# KiCad board OLD_PCB.kicad_pcb (continued)
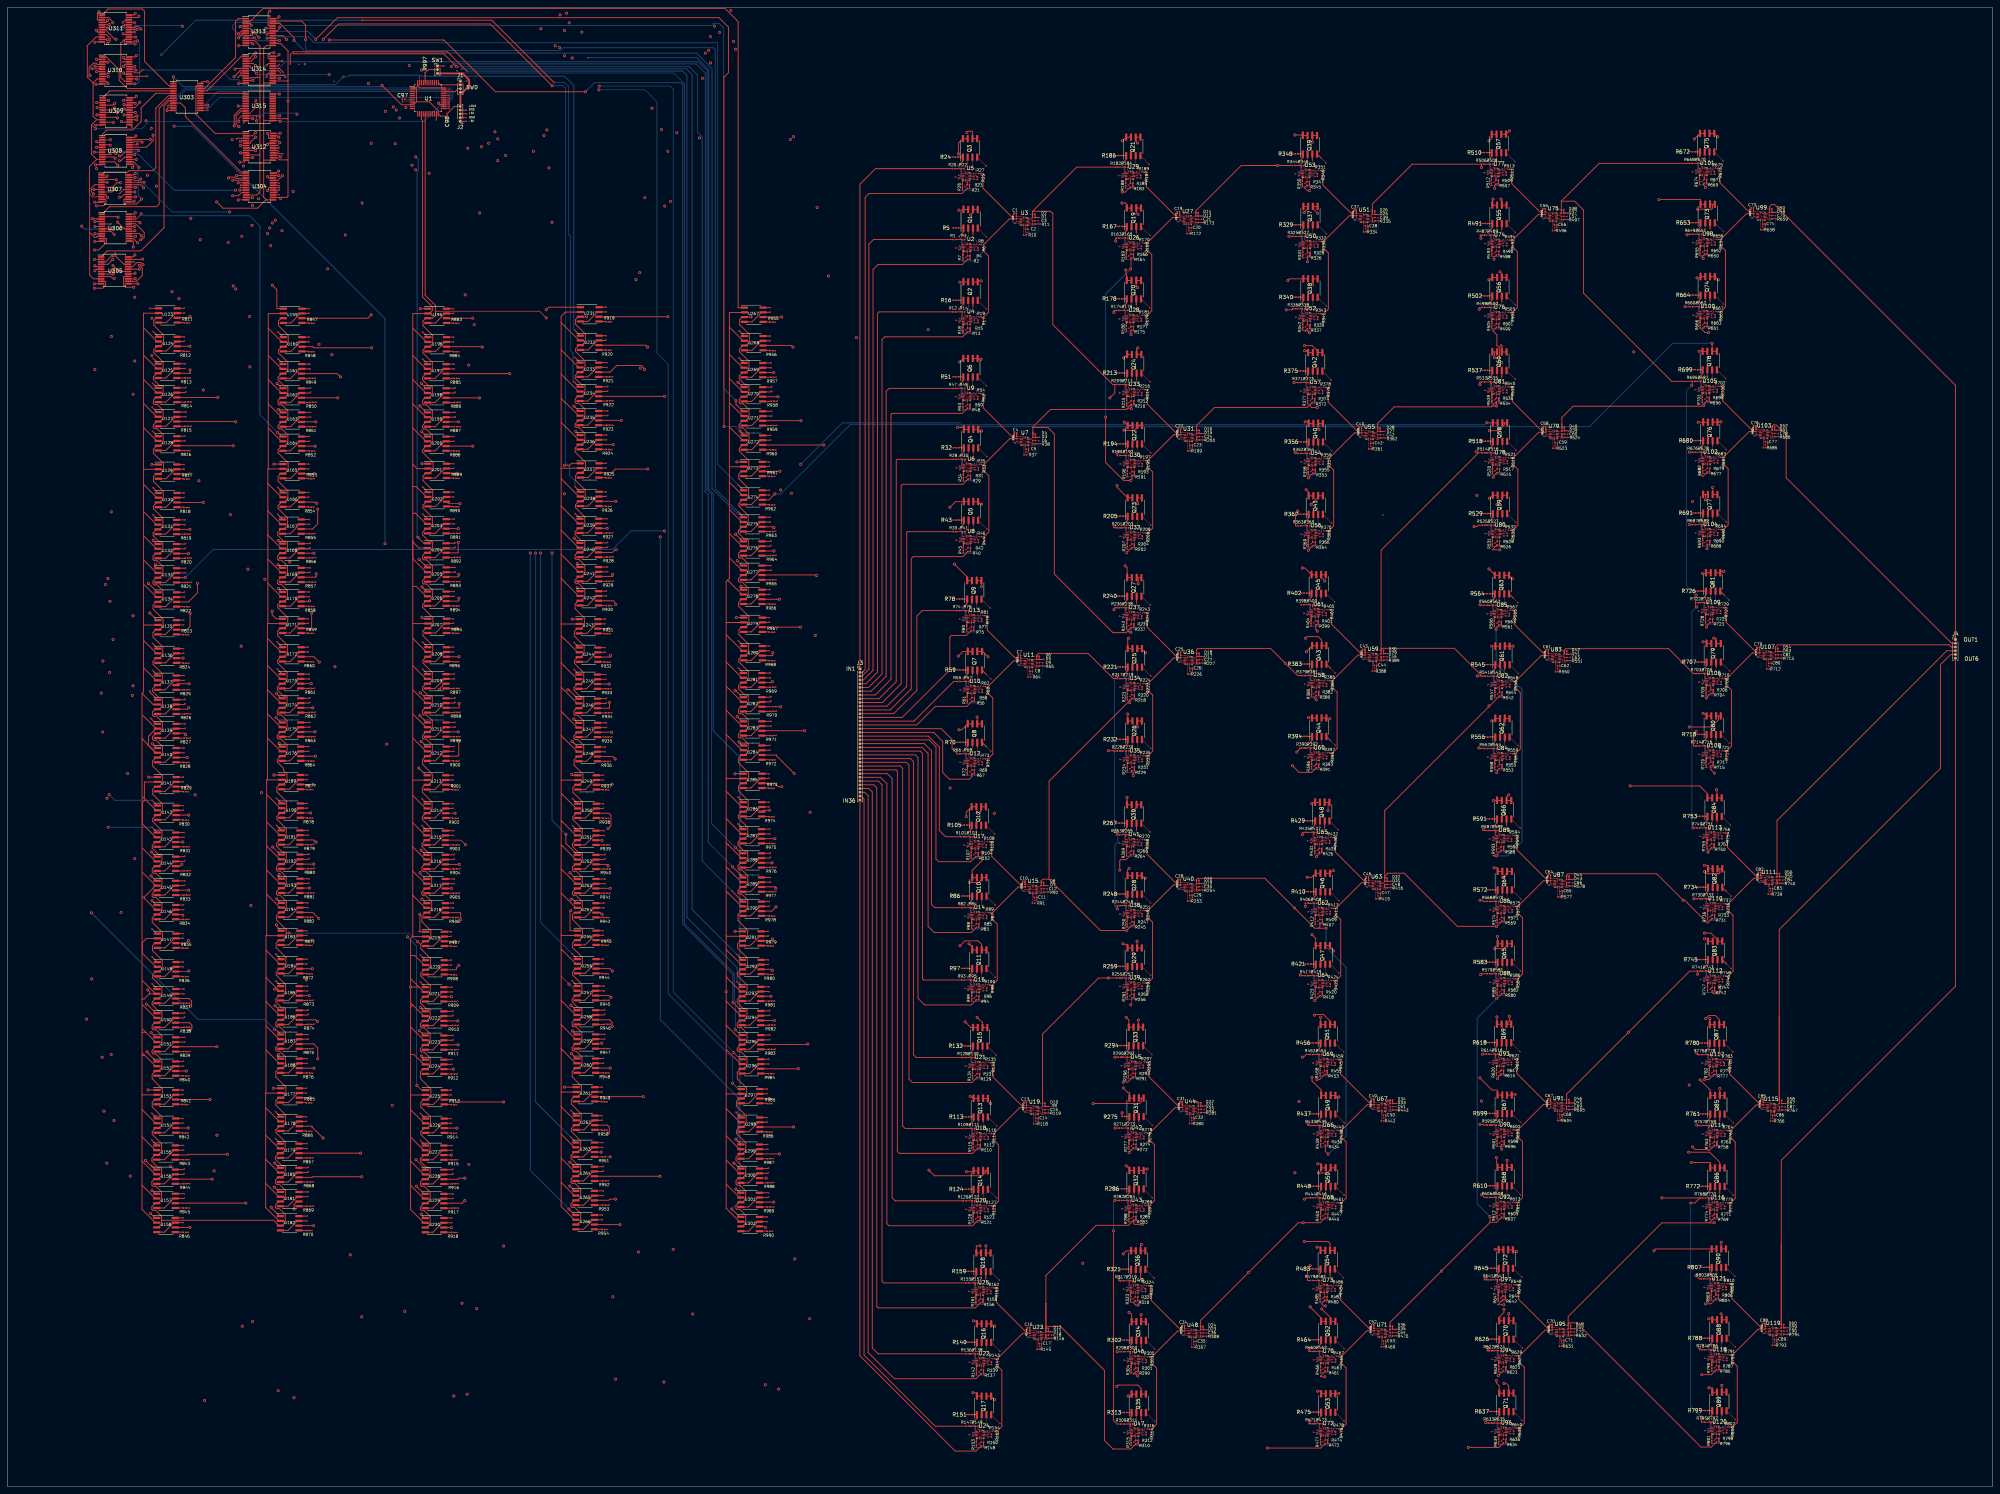
[diagram p0: board, top side]
## Nets (continued)
Net-(U112B--): R747.1 U112.5 U112.6
Net-(U112C--): R742.2 R744.1 U112.8
Net-(U112D--): R748.1 U112.12 U112.13
Net-(U113A--): R749.2 R751.1 U113.1
Net-(U113B--): R755.1 U113.5 U113.6
Net-(U113C--): R750.2 R752.1 U113.8
Net-(U113D--): R756.1 U113.12 U113.13
Net-(U114A--): R757.2 R759.1 U114.1
Net-(U114B--): R763.1 U114.5 U114.6
Net-(U114C--): R758.2 R760.1 U114.8
Net-(U114D--): R764.1 U114.12 U114.13
Net-(U115B-+): C85.2 U115.4
Net-(U115B--): R766.1 U115.5 U115.6
Net-(U115C--): C86.1 R766.2 U115.8
Net-(U115D-+): C87.2 R767.1 U115.11
Net-(U116A--): R768.2 R770.1 U116.1
Net-(U116B--): R774.1 U116.5 U116.6
Net-(U116C--): R769.2 R771.1 U116.8
Net-(U116D--): R775.1 U116.12 U116.13
Net-(U117A--): R776.2 R778.1 U117.1
Net-(U117B--): R782.1 U117.5 U117.6
Net-(U117C--): R777.2 R779.1 U117.8
Net-(U117D--): R783.1 U117.12 U117.13
Net-(U118A--): R784.2 R786.1 U118.1
Net-(U118B--): R790.1 U118.5 U118.6
Net-(U118C--): R785.2 R787.1 U118.8
Net-(U118D--): R791.1 U118.12 U118.13
Net-(U119B-+): C88.2 U119.4
Net-(U119B--): R793.1 U119.5 U119.6
Net-(U119C--): C89.1 R793.2 U119.8
Net-(U119D-+): C90.2 R794.1 U119.11
Net-(U120A--): R795.2 R797.1 U120.1
Net-(U120B--): R801.1 U120.5 U120.6
Net-(U120C--): R796.2 R798.1 U120.8
Net-(U120D--): R802.1 U120.12 U120.13
Net-(U121A--): R803.2 R805.1 U121.1
Net-(U121B--): R809.1 U121.5 U121.6
Net-(U121C--): R804.2 R806.1 U121.8
Net-(U121D--): R810.1 U121.12 U121.13
Net-(U123-PA0): R811.2 U123.5
Net-(U124-PA0): R812.2 U124.5
Net-(U125-PA0): R813.2 U125.5
Net-(U126-PA0): R814.2 U126.5
Net-(U127-PA0): R815.2 U127.5
Net-(U128-PA0): R816.2 U128.5
Net-(U129-PA0): R817.2 U129.5
Net-(U130-PA0): R818.2 U130.5
Net-(U131-PA0): R819.2 U131.5
Net-(U132-PA0): R820.2 U132.5
Net-(U133-PA0): R821.2 U133.5
Net-(U134-PA0): R822.2 U134.5
Net-(U135-PA0): R823.2 U135.5
Net-(U136-PA0): R824.2 U136.5
Net-(U137-PA0): R825.2 U137.5
Net-(U138-PA0): R826.2 U138.5
Net-(U139-PA0): R827.2 U139.5
Net-(U140-PA0): R828.2 U140.5
Net-(U141-PA0): R829.2 U141.5
Net-(U142-PA0): R830.2 U142.5
Net-(U143-PA0): R831.2 U143.5
Net-(U144-PA0): R832.2 U144.5
Net-(U145-PA0): R833.2 U145.5
Net-(U146-PA0): R834.2 U146.5
Net-(U147-PA0): R835.2 U147.5
Net-(U148-PA0): R836.2 U148.5
Net-(U149-PA0): R837.2 U149.5
Net-(U150-PA0): R838.2 U150.5
Net-(U151-PA0): R839.2 U151.5
Net-(U152-PA0): R840.2 U152.5
Net-(U153-PA0): R841.2 U153.5
Net-(U154-PA0): R842.2 U154.5
Net-(U155-PA0): R843.2 U155.5
Net-(U156-PA0): R844.2 U156.5
Net-(U157-PA0): R845.2 U157.5
Net-(U158-PA0): R846.2 U158.5
Net-(U159-PA0): R847.2 U159.5
Net-(U160-PA0): R848.2 U160.5
Net-(U161-PA0): R849.2 U161.5
Net-(U162-PA0): R850.2 U162.5
Net-(U163-PA0): R851.2 U163.5
Net-(U164-PA0): R852.2 U164.5
Net-(U165-PA0): R853.2 U165.5
Net-(U166-PA0): R854.2 U166.5
Net-(U167-PA0): R855.2 U167.5
Net-(U168-PA0): R856.2 U168.5
Net-(U169-PA0): R857.2 U169.5
Net-(U170-PA0): R858.2 U170.5
Net-(U171-PA0): R859.2 U171.5
Net-(U172-PA0): R860.2 U172.5
Net-(U173-PA0): R861.2 U173.5
Net-(U174-PA0): R862.2 U174.5
Net-(U175-PA0): R863.2 U175.5
Net-(U176-PA0): R864.2 U176.5
Net-(U177-PA0): R865.2 U177.5
Net-(U178-PA0): R866.2 U178.5
Net-(U179-PA0): R867.2 U179.5
Net-(U180-PA0): R868.2 U180.5
Net-(U181-PA0): R869.2 U181.5
Net-(U182-PA0): R870.2 U182.5
Net-(U183-PA0): R871.2 U183.5
Net-(U184-PA0): R872.2 U184.5
Net-(U185-PA0): R873.2 U185.5
Net-(U186-PA0): R874.2 U186.5
Net-(U187-PA0): R875.2 U187.5
Net-(U188-PA0): R876.2 U188.5
Net-(U189-PA0): R877.2 U189.5
Net-(U190-PA0): R878.2 U190.5
Net-(U191-PA0): R879.2 U191.5
Net-(U192-PA0): R880.2 U192.5
Net-(U193-PA0): R881.2 U193.5
Net-(U194-PA0): R882.2 U194.5
Net-(U195-PA0): R883.2 U195.5
Net-(U196-PA0): R884.2 U196.5
Net-(U197-PA0): R885.2 U197.5
Net-(U198-PA0): R886.2 U198.5
Net-(U199-PA0): R887.2 U199.5
Net-(U200-PA0): R888.2 U200.5
Net-(U201-PA0): R889.2 U201.5
Net-(U202-PA0): R890.2 U202.5
Net-(U203-PA0): R891.2 U203.5
Net-(U204-PA0): R892.2 U204.5
Net-(U205-PA0): R893.2 U205.5
Net-(U206-PA0): R894.2 U206.5
Net-(U207-PA0): R895.2 U207.5
Net-(U208-PA0): R896.2 U208.5
Net-(U209-PA0): R897.2 U209.5
Net-(U210-PA0): R898.2 U210.5
Net-(U211-PA0): R899.2 U211.5
Net-(U212-PA0): R900.2 U212.5
Net-(U213-PA0): R901.2 U213.5
Net-(U214-PA0): R902.2 U214.5
Net-(U215-PA0): R903.2 U215.5
Net-(U216-PA0): R904.2 U216.5
Net-(U217-PA0): R905.2 U217.5
Net-(U218-PA0): R906.2 U218.5
Net-(U219-PA0): R907.2 U219.5
Net-(U220-PA0): R908.2 U220.5
Net-(U221-PA0): R909.2 U221.5
Net-(U222-PA0): R910.2 U222.5
Net-(U223-PA0): R911.2 U223.5
Net-(U224-PA0): R912.2 U224.5
Net-(U225-PA0): R913.2 U225.5
Net-(U226-PA0): R914.2 U226.5
Net-(U227-PA0): R915.2 U227.5
Net-(U228-PA0): R916.2 U228.5
Net-(U229-PA0): R917.2 U229.5
Net-(U230-PA0): R918.2 U230.5
Net-(U231-PA0): R919.2 U231.5
Net-(U232-PA0): R920.2 U232.5
Net-(U233-PA0): R921.2 U233.5
Net-(U234-PA0): R922.2 U234.5
Net-(U235-PA0): R923.2 U235.5
Net-(U236-PA0): R924.2 U236.5
Net-(U237-PA0): R925.2 U237.5
Net-(U238-PA0): R926.2 U238.5
Net-(U239-PA0): R927.2 U239.5
Net-(U240-PA0): R928.2 U240.5
Net-(U241-PA0): R929.2 U241.5
Net-(U242-PA0): R930.2 U242.5
Net-(U243-PA0): R931.2 U243.5
Net-(U244-PA0): R932.2 U244.5
Net-(U245-PA0): R933.2 U245.5
Net-(U246-PA0): R934.2 U246.5
Net-(U247-PA0): R935.2 U247.5
Net-(U248-PA0): R936.2 U248.5
Net-(U249-PA0): R937.2 U249.5
Net-(U250-PA0): R938.2 U250.5
Net-(U251-PA0): R939.2 U251.5
Net-(U252-PA0): R940.2 U252.5
Net-(U253-PA0): R941.2 U253.5
Net-(U254-PA0): R942.2 U254.5
Net-(U255-PA0): R943.2 U255.5
Net-(U256-PA0): R944.2 U256.5
Net-(U257-PA0): R945.2 U257.5
Net-(U258-PA0): R946.2 U258.5
Net-(U259-PA0): R947.2 U259.5
Net-(U260-PA0): R948.2 U260.5
Net-(U261-PA0): R949.2 U261.5
Net-(U262-PA0): R950.2 U262.5
Net-(U263-PA0): R951.2 U263.5
Net-(U264-PA0): R952.2 U264.5
Net-(U265-PA0): R953.2 U265.5
Net-(U266-PA0): R954.2 U266.5
Net-(U267-PA0): R955.2 U267.5
Net-(U268-PA0): R956.2 U268.5
Net-(U269-PA0): R957.2 U269.5
Net-(U270-PA0): R958.2 U270.5
Net-(U271-PA0): R959.2 U271.5
Net-(U272-PA0): R960.2 U272.5
Net-(U273-PA0): R961.2 U273.5
Net-(U274-PA0): R962.2 U274.5
Net-(U275-PA0): R963.2 U275.5
Net-(U276-PA0): R964.2 U276.5
Net-(U277-PA0): R965.2 U277.5
Net-(U278-PA0): R966.2 U278.5
Net-(U279-PA0): R967.2 U279.5
Net-(U280-PA0): R968.2 U280.5
Net-(U281-PA0): R969.2 U281.5
Net-(U282-PA0): R970.2 U282.5
Net-(U283-PA0): R971.2 U283.5
Net-(U284-PA0): R972.2 U284.5
Net-(U285-PA0): R973.2 U285.5
Net-(U286-PA0): R974.2 U286.5
Net-(U287-PA0): R975.2 U287.5
Net-(U288-PA0): R976.2 U288.5
Net-(U289-PA0): R977.2 U289.5
Net-(U290-PA0): R978.2 U290.5
Net-(U291-PA0): R979.2 U291.5
Net-(U292-PA0): R980.2 U292.5
Net-(U293-PA0): R981.2 U293.5
Net-(U294-PA0): R982.2 U294.5
Net-(U295-PA0): R983.2 U295.5
Net-(U296-PA0): R984.2 U296.5
Net-(U297-PA0): R985.2 U297.5
Net-(U298-PA0): R986.2 U298.5
Net-(U299-PA0): R987.2 U299.5
Net-(U300-PA0): R988.2 U300.5
Net-(U301-PA0): R989.2 U301.5
Net-(U302-PA0): R990.2 U302.5

Pads without a net: U1 2 3 4 5 6 11 12 13 14 18 19 20 21 22 33 38 39 40 41 42 43 45 46; U303 16 17 18 19; U315 2 3 4 5 16 17 18 19 20 21 22 23

## Via types
v1: diameter 0.4, hole 0.2, Top to Bottom, 2042 vias
v2: diameter 0.8, hole 0.4, Top to Bottom, 1068 vias
v3: diameter 0.6, hole 0.4, Top to Bottom, 8 vias
v4: diameter 0.6, hole 0.3, Top to Bottom, 7 vias

## Routing (per net, layer and track width the routed paths; a pad name or vN(x,y) marks a point on that pad's centre or on a via; arc(x,y) is an arc through that point)
+3V3: length 21.9
  Top w0.25: C98.2 119.38,368.6 J2.5
  Top w0.5: SW1.3 121.52,377.4 123.25,375.67 123.25,374.05 121.53,372.33 J1.4 120.93,368.63 J2.5
+5V: length 788.5
  Top w0.1: v1(297.51,74.14) 298.66,74.14 298.76,74.24 299.5,74.24 ; 455.14,34.36 454.4,34.36 454.3,34.25 v1(453.15,34.25) ; U49.3 299.22,52.78 299.12,52.68 v1(297.96,52.68) ; v1(253.16,291) 254.32,291 254.42,291.1 U9.3 ; v1(254.35,193.41) 255.5,193.41 255.6,193.51 U12.3 ; U86.3 397.08,154.1 396.97,154 v1(395.82,154) ; v1(347.26,134.18) 348.41,134.18 348.51,134.28 349.25,134.28 ; v1(360.17,338.67) 361.27,338.67 U51.3 ; U58.3 347.55,214.4 347.45,214.3 v1(346.3,214.3) ; 314.85,100.56 314.82,100.54 v1(313.72,100.54) ; U56.3 346.63,254.42 346.52,254.31 v1(345.37,254.31) ; U53.3 345.07,350.64 344.97,350.54 v1(343.81,350.54) ; v1(272.12,100.44) 273.22,100.44 273.25,100.46 ; v1(345.23,292.58) 346.38,292.58 346.48,292.68 347.22,292.68 ; U60.3 347.55,195.08 347.45,194.98 v1(346.29,194.98) ; 453.46,233.89 452.72,233.89 452.62,233.79 v1(451.47,233.79) ; 257.54,133.12 256.8,133.12 256.69,133.02 v1(255.54,133.02) ; U45.3 298.62,112.5 298.51,112.4 v1(297.36,112.4) ; 452.7,254.74 451.96,254.74 451.86,254.64 v1(450.71,254.64) ; 314.36,159.98 314.34,159.95 v1(313.23,159.95) ; 366.05,101.26 366.02,101.24 v1(364.92,101.24) ; 270.55,337.86 270.52,337.84 v1(269.42,337.84) ; U4.3 254.46,311.54 254.36,311.44 v1(253.21,311.44) ; v1(255.91,93.37) 257.06,93.37 257.17,93.47 U18.3 ; 257.39,171.38 256.65,171.38 256.55,171.28 v1(255.4,171.28) ; U121.3 454.25,53.29 454.15,53.19 v1(453,53.19) ; v1(297.02,133.55) 298.17,133.55 298.28,133.65 U39.3 ; U28.3 298.06,311.94 297.96,311.84 v1(296.81,311.84) ; v1(450.56,292.9) 451.71,292.9 451.82,293 U105.3 ; v1(449.86,351.1) 451.01,351.1 451.12,351.2 U101.3 ; v1(452,154.7) 453.15,154.7 453.25,154.8 U110.3 ; v1(343.96,312.28) 345.11,312.28 345.21,312.38 U52.3 ; 299.05,194.28 298.31,194.28 298.21,194.18 v1(297.06,194.18) ; v1(450.01,312.84) 451.16,312.84 451.26,312.94 U100.3 ; v1(254.21,231.67) 255.36,231.67 255.46,231.77 U13.3 ; v1(395.22,214.15) 396.37,214.15 396.47,214.25 397.21,214.25 ; U59.3 363.61,221.37 v1(362.5,221.37) ; 397.79,94.38 397.05,94.38 396.95,94.28 v1(395.8,94.28) ; v1(273,40.25) 274.11,40.25 U23.3 ; 257.9,74.14 257.16,74.14 257.06,74.04 v1(255.91,74.04) ; U83.3 412.53,221.22 v1(411.42,221.22) ; v1(452.61,94.14) 453.77,94.14 453.87,94.24 U114.3 ; U87.3 413.13,161.08 v1(412.03,161.08) ; v1(395.07,233.08) 396.22,233.08 396.32,233.19 U85.3 ; v1(297.06,213.5) 298.21,213.5 298.32,213.6 U34.3 ; 467.35,339.26 467.32,339.24 v1(466.22,339.24) ; v1(255.55,152.34) 256.7,152.34 256.8,152.44 257.54,152.44 ; 397.81,134.78 397.07,134.78 396.97,134.68 v1(395.82,134.68) ; v1(395.21,194.82) 396.36,194.82 396.47,194.92 U84.3 ; 314.15,338.26 314.12,338.24 v1(313.02,338.24) ; U116.3 453.86,74.92 453.76,74.81 v1(452.61,74.81) ; v1(396.11,52.94) 397.27,52.94 397.37,53.04 U97.3 ; U69.3 349.82,113.2 349.71,113.1 v1(348.56,113.1) ; U74.3 395.67,332.05 395.57,331.95 v1(394.42,331.95) ; U61.3 347.4,233.34 347.3,233.24 v1(346.15,233.24) ; v1(296.91,232.44) 298.07,232.44 298.17,232.54 U37.3 ; v1(466.92,281.04) 468.02,281.04 468.05,281.06 ; v1(343.96,331.6) 345.11,331.6 345.22,331.7 U50.3 ; v1(297.51,93.47) 298.66,93.47 298.77,93.57 U42.3 ; v1(412,101.35) 413.11,101.35 U91.3 ; U25.3 257.9,52.22 257.8,52.11 v1(256.65,52.11) ; v1(348.71,94.17) 349.86,94.17 349.97,94.27 U66.3 ; v1(363.47,160.58) 364.57,160.58 U63.3 ; 258.79,13.95 258.05,13.95 257.94,13.85 v1(256.79,13.85) ; v1(255.76,112.3) 256.91,112.3 257.02,112.4 U21.3 ; U106.3 452.87,214.95 452.77,214.85 v1(451.62,214.85) ; 397.79,75.05 397.05,75.05 396.94,74.95 v1(395.79,74.95) ; v1(269.52,279.14) 270.62,279.14 270.65,279.16 ; v1(253.21,330.77) 254.36,330.77 254.47,330.87 U2.3 ; U46.3 299.37,33.84 299.27,33.74 v1(298.11,33.74) ; v1(270.56,219.8) 271.67,219.8 271.69,219.83 ; U119.3 470.46,41.33 v1(469.35,41.33) ; v1(395.65,113.21) 396.8,113.21 396.9,113.31 U93.3 ; U10.3 255.61,212.83 255.51,212.73 v1(254.36,212.73) ; v1(452.46,113.08) 453.62,113.08 453.72,113.18 U117.3 ; v1(314.32,40.81) 315.42,40.81 315.45,40.84 ; 299.05,253.88 298.31,253.88 298.21,253.78 v1(297.06,253.78) ; v1(394.41,292.74) 395.57,292.74 395.67,292.84 U81.3 ; v1(394.56,273.8) 395.71,273.8 395.82,273.9 U78.3 ; v1(410.77,280.88) 411.88,280.88 U79.3 ; U65.3 348.37,172.54 348.27,172.44 v1(347.11,172.44) ; U33.3 298.17,292.14 298.07,292.04 v1(296.91,292.04) ; U62.3 348.52,153.6 348.41,153.5 v1(347.26,153.5) ; U94.3 397.52,34.1 397.41,34 v1(396.26,34) ; v1(348.7,33.83) 349.85,33.83 349.95,33.94 350.69,33.94 ; v1(313.27,280.18) 314.38,280.18 U31.3 ; U41.3 298.13,171.92 298.03,171.81 v1(296.88,171.81) ; U26.3 298.07,331.27 297.96,331.17 v1(296.81,331.17) ; 455.14,15.03 454.4,15.03 454.29,14.93 v1(453.14,14.93) ; v1(345.38,273.64) 346.53,273.64 346.63,273.74 U54.3 ; v1(396.26,14.68) 397.41,14.68 397.51,14.78 398.25,14.78 ; v1(450.01,332.17) 451.16,332.17 451.27,332.27 U98.3 ; v1(452,135.38) 453.15,135.38 453.25,135.48 U112.3 ; U6.3 254.57,272.17 254.46,272.07 v1(253.31,272.07) ; v1(313.27,220.58) 314.38,220.58 U36.3 ; U102.3 451.97,274.07 451.86,273.97 v1(450.71,273.97) ; v1(253.31,252.74) 254.46,252.74 254.56,252.84 255.3,252.84 ; 350.7,74.94 349.96,74.94 349.86,74.84 v1(348.71,74.84) ; v1(468.2,161.77) 469.31,161.77 U111.3 ; v1(395.67,172.94) 396.83,172.94 396.93,173.04 U89.3 ; v1(467.82,221.92) 468.93,221.92 468.95,221.95 ; v1(451.61,195.52) 452.76,195.52 452.87,195.63 453.61,195.63 ; v1(297.06,273.1) 298.21,273.1 298.32,273.2 U30.3 ; v1(271.75,159.41) 272.86,159.41 272.88,159.44 ; v1(297.03,152.88) 298.18,152.88 298.28,152.98 299.02,152.98 ; U77.3 395.52,350.99 395.42,350.88 v1(394.27,350.88) ; v1(348.69,14.51) 349.84,14.51 349.95,14.61 350.69,14.61 ; 396.55,254.58 395.81,254.58 395.71,254.48 v1(394.56,254.48) ; v1(410.62,339.02) 411.73,339.02 U75.3 ; v1(296.66,350.1) 297.81,350.1 297.92,350.2 U29.3 ; v1(394.41,312.62) 395.56,312.62 395.67,312.72 U76.3 ; v1(468.82,101.21) 469.92,101.21 469.95,101.24 ; v1(364.9,40.91) 366.01,40.91 U71.3 ; U47.3 299.36,14.52 299.26,14.41 v1(298.11,14.41) ; v1(412.47,41.08) 413.57,41.08 U95.3 ; 258.79,33.28 258.05,33.28 257.95,33.18 v1(256.8,33.18) ; 350.54,52.87 349.8,52.87 349.7,52.77 v1(348.55,52.77) ; U113.3 453.1,173.74 453,173.64 v1(451.85,173.64) ; U5.3 254.32,349.8 254.22,349.7 v1(253.06,349.7) ; v1(361.58,280.71) 362.69,280.71 362.71,280.74
  Top w0.15: v2(160.9,88.05) 160.9,88.05 R951.1
  Top w0.2: U313.24 72.03,392.03 v2(72.5,392.5) ; U312.24 70.93,361.4 v2(72.8,361.4) ; v2(72.4,351.3) 71.88,350.78 U304.24 ; v2(72.5,382.4) 72.08,381.98 U314.24 ; U315.24 72.58,371.93 v2(72.6,371.9)
  Top w0.25: U210.8 119.36,210.51 v1(119.5,210.65) ; U169.8 80.82,245.36 v1(80.83,245.36) ; R952.1 160.53,81.65 ; v2(34.1,350.7) 33.67,350.28 U307.24 ; U212.8 119.16,197.61 v1(119.2,197.65) ; v1(159.83,273.25) 159.82,273.26 U237.8 ; R987.1 204.39,87.55 ; U174.8 80.58,210.51 v1(80.72,210.65) ; R925.1 v1(161.22,269.36) ; v1(47.1,132.86) 47.09,132.87 U149.8 ; v1(80.1,190.02) 80.09,190.03 78.18,190.03 ; U150.8 47.16,126.42 v1(47.3,126.56) ; U229.8 118.92,78.16 v1(118.93,78.16) ; v1(159.85,307.35) 159.84,307.36 U232.8 ; U240.8 160.08,252.01 v1(160.22,252.16) ; R911.1 120.33,116.65 ; v1(119.3,216.95) 119.3,216.96 U209.8 ; R947.1 160.85,116.95 ; R928.1 161.62,248.26 ; v1(47.02,155.36) 46.98,155.31 U146.8 ; U164.8 80.58,280.41 v1(80.62,280.46) ; U123.8 47.22,314.66 v1(47.23,314.66) ; U178.8 79.84,98.77 v1(79.84,98.76) ; R971.1 205.25,200.55 ; 77.82,91.56 80.04,91.56 v1(80.04,91.56) ; R890.1 v1(120.53,261.66) ; 156.81,106.66 158.72,106.66 v1(158.73,106.65) ; v1(80.5,162.32) 80.5,162.33 U193.8 ; 47.95,206.37 48.82,206.37 ; U293.8 203.32,133.46 v1(203.33,133.46) ; R899.1 120.9,200.25 ; R945.1 160.65,129.85 ; U278.8 203.5,239.51 v1(203.55,239.55) ; U227.8 118.72,91.06 v1(118.72,91.06) ; U184.8 79.92,140.83 v1(79.93,140.82) ; U268.8 203.65,307.25 v1(203.65,307.25) ; R893.1 120.93,241.66 ; U291.8 203.12,148.26 v1(203.12,148.25) ; v1(47.42,210.27) 47.28,210.13 U138.8 ; U207.8 119.09,231.76 v1(119.1,231.75) ; U204.8 119.38,251.91 v1(119.53,252.06) ; U292.8 203.12,140.66 v1(203.12,140.66) ; R968.1 v1(204.85,220.55) ; R816.1 v1(48.73,276.66) ; U245.8 159.72,216.86 v1(159.73,216.85) ; v1(159.93,203.95) 159.93,203.96 U247.8 ; 200.77,78.46 203.19,78.46 v1(203.19,78.45) ; v1(119.31,299.75) 119.31,299.75 U197.8 ; R920.1 v1(161.25,303.45) ; R813.1 v1(48.82,296.06) ; R933.1 161.13,213.05 ; R861.1 81.92,213.15 ; R986.1 v1(204.19,94.65) ; U303.24 52.02,375.2 v2(53.4,375.2) ; 77.82,85.12 80.09,85.12 v1(80.24,85.26) ; v1(80.24,78.66) 80.23,78.67 77.82,78.67 ; v1(47.22,78.19) 47.22,78.2 44.8,78.2 ; R837.1 48.5,129.06 ; R838.1 48.7,122.66 ; v1(159.85,314.95) 159.84,314.96 U231.8 ; U159.8 80.52,314.56 v1(80.53,314.56) ; U199.8 119.5,286.86 v1(119.51,286.85) ; v1(203.65,217.25) 203.65,217.26 U281.8 ; R846.1 v1(48.32,67.89) ; v1(80.53,238.96) 80.48,238.91 U170.8 ; R867.1 81.44,87.76 ; v1(202.79,98.55) 202.78,98.56 U298.8 ; J2.3 122.49,366.6 v1(122.5,366.6) ; v1(119.5,204.05) 119.5,204.06 U211.8 ; U279.8 203.44,232.06 v1(203.45,232.05) ; 78.4,224.16 80.32,224.16 v1(80.32,224.15) ; U302.8 202.84,72 v1(202.89,72.05) ; v1(204.05,287.15) 204.05,287.16 U271.8 ; 44.9,105.9 46.82,105.9 v1(46.82,105.89) ; R959.1 205.45,283.35 ; U308.24 33.88,360.28 v2(34.3,360.7) ; U299.8 202.99,91.36 v1(202.99,91.35) ; R907.1 v1(119.93,144.25) ; U288.8 203.58,169.11 v1(203.72,169.26) ; U230.8 118.58,71.71 v1(118.62,71.75) ; U254.8 159.19,155.81 v1(159.23,155.85) ; v1(80.1,182.42) 80.09,182.43 78.18,182.43 ; v1(118.93,120.45) 118.93,120.46 116.5,120.46 ; v1(80.33,127.32) 80.18,127.18 U186.8 ; R944.1 v1(160.45,136.95) ; R845.1 48.62,74.39 ; R821.1 48.95,241.45 ; U136.8 47.02,223.78 v1(47.02,223.77) ; R883.1 v1(120.51,310.65) ; R812.1 v1(48.62,303.16) ; R943.1 v1(160.45,144.55) ; v1(158.83,72.55) 158.78,72.5 U266.8 ; R954.1 v1(160.23,68.65) ; U277.8 203.84,245.96 v1(203.85,245.95) ; R926.1 v1(161.22,261.75) ; v1(118.93,84.75) 118.78,84.61 U228.8 ; v1(159.53,231.65) 159.53,231.66 U243.8 ; v1(119.12,265.56) 119.12,265.56 U202.8 ; R822.1 v1(48.65,234.95) ; R930.1 v1(161.33,235.26) ; v1(203.75,280.75) 203.71,280.71 U272.8 ; U216.8 119.19,168.71 v1(119.33,168.85) ; U273.8 203.44,273.66 v1(203.45,273.65) ; R915.1 120.12,87.25 ; U140.8 47.08,197.23 v1(47.12,197.27) ; U167.8 80.62,258.26 v1(80.62,258.25) ; v1(160.03,258.46) 160.02,258.46 U239.8 ; 47.84,199.87 48.82,199.87 ; U137.8 47.22,216.58 v1(47.23,216.57) ; U311.24 33.67,392.98 v2(34.1,393.4) ; U270.8 203.91,293.61 v1(204.05,293.75) ; R898.1 120.9,206.75 ; R842.1 v1(48.22,94.39) ; v1(47.12,174.66) 47.12,174.66 U143.8 ; v1(203.85,210.95) 203.71,210.81 U282.8 ; v1(159.33,175.15) 159.33,175.16 U251.8 ; v1(203.65,258.85) 203.65,258.86 U275.8 ; v1(119.51,293.45) 119.37,293.31 U198.8 ; R932.1 v1(160.93,220.15) ; v1(80.83,251.96) 80.68,251.81 U168.8 ; R961.1 v1(204.85,269.75) ; R975.1 204.93,171.76 ; R820.1 48.95,247.95 ; R833.1 48.73,157.96 ; U173.8 80.52,216.96 v1(80.52,216.95) ; v1(119.13,175.15) 119.12,175.16 U215.8 ; R962.1 v1(204.85,262.15) ; R831.1 48.52,170.86 ; 44.8,91.1 47.02,91.1 v1(47.02,91.09) ; R895.1 v1(120.5,227.85) ; U235.8 160.25,287.25 v1(160.25,287.25) ; R850.1 82.33,289.56 ; v1(119.33,258.36) 119.32,258.36 U203.8 ; v1(203.22,114.16) 203.18,114.11 U296.8 ; v2(34.4,382.2) 33.98,381.78 U310.24 ; v1(119.53,245.46) 119.52,245.46 U205.8 ; U286.8 203.32,182.76 v1(203.33,182.76) ; R858.1 v1(81.93,235.06) ; v1(159.83,265.66) 159.82,265.66 U238.8 ; U309.24 33.98,370.88 v2(34.4,371.3) ; v1(80.93,293.46) 80.78,293.31 U162.8 ; U208.8 119.09,224.16 v1(119.1,224.15) ; v1(47.22,84.79) 47.08,84.65 U156.8 ; R829.1 v1(48.32,185.56) ; v1(118.93,189.95) 118.93,189.96 U213.8 ; R882.1 v1(81.6,152.02) ; v1(47.62,286.96) 47.62,286.96 U127.8 ; U144.8 47.18,168.21 v1(47.32,168.36) ; U249.8 159.12,189.96 v1(159.13,189.95) ; v1(203.43,156.26) 203.38,156.21 U290.8 ; R815.1 v1(49.02,283.16) ; R948.1 v1(160.55,110.45) ; v1(203.85,300.05) 203.84,300.06 U269.8 ; U132.8 47.41,251.71 v1(47.55,251.85) ; R970.1 205.25,207.05 ; 77.9,114.28 79.98,114.28 v1(80.03,114.32) ; 47.74,193.37 v1(48.52,193.37) ; R848.1 v1(81.93,303.06) ; v2(34.1,340.2) 33.67,339.78 U306.24 ; R934.1 161.33,206.65 ; R966.1 v1(204.95,235.65) ; R914.1 v1(119.93,94.36) ; v1(46.82,98.29) 46.82,98.3 U154.8 ; R960.1 v1(205.15,276.85) ; R956.1 v1(205.05,303.35) ; R982.1 204.93,123.25 ; R904.1 120.73,164.95 ; 157.12,148.46 159.05,148.46 v1(159.05,148.45) ; U224.8 118.59,114 v1(118.63,114.05) ; 47.64,227.47 v1(48.42,227.47) ; 200.87,106.16 202.78,106.16 v1(202.79,106.15) ; U163.8 80.92,286.86 v1(80.93,286.86) ; U141.8 46.92,189.46 v1(46.92,189.46) ; U234.8 160.11,293.71 v1(160.25,293.85) ; v1(203.85,252.55) 203.71,252.41 U276.8 ; R946.1 160.85,123.45 ; U194.8 80.16,155.88 v1(80.2,155.92) ; R923.1 161.65,283.45 ; R910.1 120.33,123.15 ; U191.8 80.3,175.23 v1(80.3,175.22) ; R937.1 v1(160.53,186.05) ; R901.1 v1(120.33,186.05) ; 47.64,219.87 v1(48.42,219.87) ; U259.8 159.44,120.75 v1(159.45,120.75) ; R949.1 v1(160.13,102.75) ; R852.1 v1(82.03,276.56) ; v1(203.53,120.56) 203.52,120.56 U295.8 ; R980.1 v1(204.53,136.75) ; R860.1 v1(81.72,220.25) ; R817.1 v1(48.55,269.05) ; U166.8 80.42,265.46 v1(80.43,265.46) ; U160.8 80.52,306.96 v1(80.53,306.96) ; v1(80.13,133.62) 80.12,133.62 U185.8 ; R924.1 v1(161.35,276.95) ; R811.1 v1(48.62,310.75) ; R879.1 81.7,171.42 ; v1(47.32,161.76) 47.32,161.76 U145.8 ; R906.1 v1(120.43,151.95) ; v1(203.55,197.95) 203.5,197.91 U284.8 ; v1(203.53,175.56) 203.52,175.56 U287.8 ; U206.8 119.18,239.01 v1(119.22,239.06) ; 77.82,72.22 79.9,72.22 v1(79.94,72.26) ; v1(47.42,203.67) 47.42,203.68 U139.8 ; v1(119.11,306.95) 119.11,306.96 U196.8 ; R891.1 120.72,254.56 ; R905.1 120.73,158.45 ; R889.1 v1(120.53,269.25) ; R871.1 v1(81.33,144.52) ; v1(47.42,299.86) 47.42,299.86 U125.8 ; R844.1 48.62,80.89 ; R955.1 v1(205.05,310.95) ; R865.1 v1(81.24,102.46) ; U264.8 158.99,85.41 v1(159.13,85.55) ; R868.1 81.64,81.36 ; U233.8 160.05,300.16 v1(160.05,300.15) ; R950.1 v1(160.13,95.15) ; R940.1 160.93,164.95 ; R976.1 205.12,165.36 ; R936.1 v1(161.03,193.65) ; 44.88,113.52 46.95,113.52 v1(47,113.56) ; U305.24 33.48,328.38 v2(34,328.9) ; U161.8 80.72,299.76 v1(80.73,299.75) ; v1(47.15,265.35) 47.14,265.36 U130.8 ; v1(203.53,127.16) 203.38,127.01 U294.8 ; R887.1 120.91,283.05 ; U214.8 118.93,182.36 v1(118.93,182.35) ; R856.1 82.23,248.06 ; R814.1 v1(49.02,289.66) ; U217.8 119.33,162.26 v1(119.33,162.25) ; U289.8 203.72,162.66 v1(203.72,162.66) ; U246.8 159.78,210.41 v1(159.93,210.55) ; R888.1 v1(120.61,276.55) ; 47.84,212.77 48.62,212.77 ; v1(119.11,314.55) 119.11,314.56 U195.8 ; R884.1 v1(120.51,303.05) ; R927.1 161.43,254.66 ; v1(159.53,168.85) 159.39,168.71 U252.8 ; U242.8 159.88,239.11 v1(159.93,239.16) ; v1(160.22,245.56) 160.22,245.56 U241.8 ; v1(80.32,231.75) 80.32,231.76 78.4,231.76 ; R855.1 82.03,254.46 ; U147.8 46.89,147.67 v1(46.9,147.66) ; R854.1 v1(81.83,261.56) ; R931.1 v1(160.93,227.75) ; U280.8 203.44,224.46 v1(203.45,224.45) ; R978.1 v1(204.83,152.36) ; U248.8 159.59,197.51 v1(159.63,197.55) ; v1(118.53,140.55) 118.53,140.56 U220.8 ; v1(47.35,258.15) 47.34,258.16 U131.8 ; v1(47.15,272.95) 47.14,272.96 U129.8 ; v1(119.03,155.85) 118.99,155.81 U218.8 ; U158.8 46.88,71.75 v1(46.92,71.79) ; U148.8 46.89,140.06 v1(46.9,140.06) ; R878.1 v1(81.5,178.52) ; 157.83,280.81 159.91,280.81 v1(159.95,280.85) ; v1(203.45,266.05) 203.44,266.06 U274.8 ; U128.8 47.28,280.51 v1(47.32,280.56) ; 156.71,78.96 159.12,78.96 v1(159.13,78.95) ; R973.1 v1(204.72,186.46) ; R864.1 v1(81.82,193.75) ; v1(47.02,231.37) 47.02,231.38 U135.8 ; R849.1 82.12,295.96 ; v1(47.3,119.96) 47.3,119.97 U151.8 ; U283.8 203.84,204.36 v1(203.85,204.35) ; R853.1 v1(81.83,269.16) ; U175.8 80.72,204.06 v1(80.72,204.05) ; U250.8 159.12,182.36 v1(159.13,182.35) ; R830.1 v1(48.32,177.96) ; v1(203.19,85.05) 203.05,84.91 U300.8 ; R919.1 v1(161.25,311.05) ; R965.1 205.25,242.15 ; U126.8 47.48,293.41 v1(47.62,293.56) ; v1(119.12,273.16) 119.12,273.16 U201.8 ; U133.8 47.55,245.26 v1(47.55,245.25) ; U124.8 47.22,307.06 v1(47.23,307.06) ; R900.1 v1(120.6,193.75) ; R964.1 205.25,248.65 ; v1(159.25,133.65) 159.25,133.66 157.03,133.66 ; R921.1 161.45,296.35 ; R985.1 v1(204.19,102.25) ; v1(80.33,120.72) 80.32,120.73 U187.8 ; v1(46.92,181.86) 46.92,181.86 U142.8 ; 116.61,148.16 118.53,148.16 v1(118.53,148.15) ; U200.8 119.16,280.41 v1(119.21,280.45) ; R957.1 205.25,296.25 ; R843.1 48.42,87.29 ; v1(47.25,238.85) 47.2,238.81 U134.8 ; U221.8 118.72,133.36 v1(118.73,133.35) ; R990.1 v1(204.29,68.15) ; R909.1 120.13,129.55 ; R938.1 v1(160.53,178.45) ; v1(118.53,98.25) 118.52,98.26 U226.8 ; R834.1 v1(48.42,151.46) ; R870.1 v1(81.34,68.36) ; R918.1 v1(120.03,67.86) ; R988.1 204.59,81.15 ; R872.1 v1(81.33,136.92) ; R902.1 v1(120.33,178.45) ; U192.8 80.36,168.78 v1(80.5,168.92) ; R877.1 v1(81.5,186.12) ; v1(158.93,91.85) 158.93,91.86 U263.8 ; R886.1 120.91,289.55 ; U176.8 80.38,197.61 v1(80.42,197.65) ; U165.8 80.42,273.06 v1(80.43,273.06) ; v1(158.73,99.05) 158.72,99.06 U262.8 ; R935.1 161.33,200.15 ; R916.1 120.33,80.86 ; v1(203.65,314.85) 203.65,314.86 U267.8 ; R984.1 v1(204.62,110.25) ; R983.1 204.93,116.75 ; R979.1 v1(204.53,144.36) ; U244.8 159.53,224.06 v1(159.53,224.05) ; U183.8 79.92,148.43 v1(79.93,148.42) ; U285.8 203.32,190.36 v1(203.33,190.36) ; R963.1 205.05,255.05 ; R974.1 v1(204.72,178.86) ; U177.8 79.84,106.37 v1(79.84,106.36) ; R941.1 160.93,158.45 ; v1(159.45,127.35) 159.31,127.21 U258.8 ; R832.1 48.73,164.46 ; v1(118.93,127.05) 118.78,126.91 U222.8 ; R857.1 82.23,241.56 ; R913.1 v1(119.93,101.96) ; U256.8 159.05,140.86 v1(159.05,140.85) ; R885.1 120.71,295.95 ; U253.8 159.53,162.26 v1(159.53,162.25) ; R903.1 120.53,171.35 ; R917.1 120.33,74.36 ; U225.8 118.52,105.86 v1(118.53,105.86) ; R880.1 81.9,165.02 ; R835.1 v1(48.3,143.76) ; R896.1 v1(120.5,220.25) ; R929.1 161.62,241.76 ; R863.1 82.12,200.25 ; R953.1 160.53,75.15 ; R866.1 v1(81.24,94.86) ; R862.1 82.12,206.75 ; R892.1 120.93,248.16 ; R839.1 48.7,116.16 ; R972.1 v1(204.95,194.05) ; R875.1 81.73,116.92 ; R897.1 120.7,213.15 ; R859.1 v1(81.72,227.85) ; R841.1 v1(48.22,101.99) ; R922.1 161.65,289.95 ; R981.1 204.72,129.66 ; R819.1 48.75,254.35 ; R942.1 v1(160.63,151.95) ; R869.1 81.64,74.86 ; R818.1 v1(48.55,261.45) ; R881.1 81.9,158.52 ; R840.1 v1(48.4,109.66) ; R967.1 v1(204.85,228.15) ; v1(159.15,114.35) 159.11,114.31 U260.8 ; R958.1 205.45,289.85 ; R847.1 v1(81.93,310.66) ; R851.1 82.33,283.06 ; R876.1 v1(81.43,110.42) ; R836.1 v1(48.3,136.16) ; R894.1 v1(120.62,235.16) ; R912.1 v1(120.03,110.15) ; R873.1 81.53,129.82 ; R989.1 204.59,74.65 ; R939.1 160.73,171.35 ; R977.1 205.12,158.86 ; R969.1 205.05,213.45 ; R874.1 81.73,123.42 ; R908.1 v1(119.93,136.65)
  vias: v1(48.5,87.3) v1(48.6,170.9) v1(48.6,129.1) v1(48.6,74.4) v1(48.7,212.8) v1(48.7,164.5) v1(48.7,158) v1(48.7,122.7) v1(48.7,116.2) v1(48.7,80.9) v1(48.8,254.4) v1(48.8,199.9) v1(48.9,206.4) v1(49,248) v1(49.1,241.5) v1(81.6,87.8) v1(81.7,129.9) v1(81.7,117) v1(81.7,81.4) v1(81.7,74.9) v1(81.8,171.5) v1(81.8,123.5) v1(81.9,158.6) v1(82,213.2) v1(82,165.1) v1(82.1,254.5) v1(82.1,200.3) v1(82.2,296) v1(82.2,206.8) v1(82.3,248.11) v1(82.3,241.6) v1(82.4,289.6) v1(82.4,283.1) v1(120.2,129.6) v1(120.2,87.3) v1(120.4,123.2) v1(120.4,116.7) v1(120.4,80.9) v1(120.4,74.4) v1(120.6,171.3) v1(120.7,295.9) v1(120.7,213.2) v1(120.7,158.5) v1(120.8,254.6) v1(120.8,165) v1(120.9,289.6) v1(120.9,248.2) v1(120.9,241.7) v1(120.9,206.8) v1(120.9,200.3) v1(121,283.1) v1(160.5,81.7) v1(160.6,75.2) v1(160.7,129.9) v1(160.8,171.4) v1(160.9,164.9) v1(160.9,158.4) v1(160.9,123.5) v1(160.9,117) v1(161.2,213.1) v1(161.4,200.2) v1(161.5,206.7) v1(161.6,296.4) v1(161.6,254.7) v1(161.7,289.9) v1(161.7,283.4) v1(161.7,248.3) v1(161.7,241.8) v1(204.5,87.6) v1(204.6,81.2) v1(204.6,74.7) v1(204.8,129.7) v1(204.9,171.7) v1(204.9,123.3) v1(205,116.8) v1(205.1,255.1) v1(205.1,213.5) v1(205.2,248.7) v1(205.2,242.2) v1(205.2,165.4) v1(205.2,158.9) v1(205.3,296.2) v1(205.3,207.1) v1(205.3,200.6) v1(205.4,283.4) v1(205.5,289.9)
-5V: length 99.9
  Top w0.1: v1(352.09,172.52) 352.07,172.54 U65.10 ; v1(400.8,134.75) 400.77,134.78 399.71,134.78 ; v1(352.24,134.25) 352.21,134.28 351.15,134.28 ; v1(301.89,292.12) 301.87,292.14 U33.10 ; v1(301.79,311.92) 301.76,311.94 U28.10 ; 400.15,14.78 401.21,14.78 v1(401.24,14.75) ; v1(348.94,331.68) 348.92,331.7 U50.10 ; 260.69,33.28 261.75,33.28 v1(261.78,33.25) ; v1(454.99,312.92) 454.96,312.94 U100.10 ; U101.10 454.82,351.2 v1(454.84,351.18) ; U84.10 400.16,194.92 v1(400.19,194.9) ; 399.69,94.38 400.75,94.38 v1(400.78,94.35) ; U121.10 457.95,53.29 v1(457.98,53.27) ; v1(302.04,194.25) 302.01,194.28 300.95,194.28 ; U45.10 302.32,112.5 v1(302.34,112.48) ; U81.10 399.37,292.84 v1(399.39,292.82) ; v1(258.19,330.84) 258.16,330.87 U2.10 ; 300.95,253.88 302.01,253.88 v1(302.04,253.85) ; 455.51,195.63 456.56,195.63 v1(456.59,195.6) ; U52.10 348.91,312.38 v1(348.94,312.35) ; 399.69,75.05 400.75,75.05 v1(400.77,75.03) ; v1(401.24,34.08) 401.22,34.1 U94.10 ; U114.10 457.57,94.24 v1(457.59,94.22) ; U105.10 455.52,293 v1(455.54,292.98) ; U29.10 301.62,350.2 v1(301.64,350.18) ; v1(399.25,350.96) 399.22,350.99 U77.10 ; 349.12,292.68 350.18,292.68 v1(350.21,292.65) ; 454.6,254.74 455.66,254.74 v1(455.69,254.72) ; U42.10 302.46,93.57 v1(302.49,93.54) ; U13.10 259.16,231.77 v1(259.19,231.74) ; v1(301.79,331.24) 301.76,331.27 U26.10 ; v1(352.24,153.58) 352.22,153.6 U62.10 ; v1(259.33,212.81) 259.31,212.83 U10.10 ; U9.10 258.12,291.1 v1(258.14,291.08) ; U61.10 351.1,233.34 v1(351.13,233.31) ; v1(260.89,74.12) 260.86,74.14 259.8,74.14 ; v1(259.33,193.48) 259.3,193.51 U12.10 ; U106.10 456.57,214.95 v1(456.6,214.93) ; U25.10 261.6,52.22 v1(261.63,52.19) ; 259.29,171.38 260.35,171.38 v1(260.38,171.35) ; U39.10 301.98,133.65 v1(302,133.63) ; v1(302.49,74.22) 302.46,74.24 301.4,74.24 ; v1(353.69,74.92) 353.66,74.94 352.6,74.94 ; v1(399.54,254.55) 399.51,254.58 398.45,254.58 ; U102.10 455.66,274.07 v1(455.69,274.04) ; v1(302.01,152.95) 301.98,152.98 300.92,152.98 ; U21.10 260.72,112.4 v1(260.74,112.38) ; U5.10 258.02,349.8 v1(258.04,349.78) ; U30.10 302.02,273.2 v1(302.04,273.18) ; v1(302.04,213.58) 302.02,213.6 U34.10 ; U86.10 400.78,154.1 v1(400.8,154.08) ; v1(400.05,233.16) 400.02,233.19 U85.10 ; 455.36,233.89 456.42,233.89 v1(456.45,233.86) ; U69.10 353.52,113.2 v1(353.54,113.18) ; v1(457.59,74.89) 457.56,74.92 U116.10 ; v1(353.69,94.24) 353.66,94.27 U66.10 ; 259.44,133.12 260.5,133.12 v1(260.52,133.09) ; U60.10 351.25,195.08 v1(351.27,195.05) ; 399.11,214.25 400.17,214.25 v1(400.2,214.22) ; v1(399.39,312.7) 399.36,312.72 U76.10 ; U54.10 350.33,273.74 v1(350.36,273.72) ; U49.10 302.92,52.78 v1(302.94,52.75) ; U93.10 400.6,113.31 v1(400.63,113.29) ; v1(351.28,214.38) 351.25,214.4 U58.10 ; v1(350.35,254.39) 350.32,254.42 U56.10 ; U74.10 399.37,332.05 v1(399.4,332.02) ; v1(457.44,113.15) 457.42,113.18 U117.10 ; v1(353.67,14.58) 353.65,14.61 352.59,14.61 ; U112.10 456.95,135.48 v1(456.97,135.45) ; U113.10 456.8,173.74 v1(456.83,173.71) ; U18.10 260.86,93.47 v1(260.89,93.44) ; 257.2,252.84 258.26,252.84 v1(258.29,252.82) ; U6.10 258.26,272.17 v1(258.29,272.14) ; v1(458.13,34.33) 458.1,34.36 457.04,34.36 ; U53.10 348.77,350.64 v1(348.79,350.61) ; 352.59,33.94 353.65,33.94 v1(353.68,33.91) ; v1(353.53,52.85) 353.5,52.87 U73.10 ; v1(454.99,332.24) 454.96,332.27 U98.10 ; U47.10 303.06,14.52 v1(303.09,14.49) ; v1(301.86,171.89) 301.83,171.92 U41.10 ; U4.10 258.16,311.54 v1(258.19,311.52) ; v1(303.09,33.81) 303.07,33.84 U46.10 ; v1(456.98,154.78) 456.95,154.8 U110.10 ; U78.10 399.52,273.9 v1(399.54,273.88) ; v1(400.65,173.02) 400.63,173.04 U89.10 ; v1(260.53,152.42) 260.5,152.44 259.44,152.44 ; v1(261.77,13.93) 261.75,13.95 260.69,13.95 ; v1(458.12,15) 458.09,15.03 457.04,15.03 ; U97.10 401.07,53.04 v1(401.09,53.02) ; v1(301.89,232.52) 301.87,232.54 U37.10
  Top w0.25: J2.1 v1(122.5,364.6)
GND: length 2371.7